# KiCad board smps_legged_robot.kicad_pcb (continued)
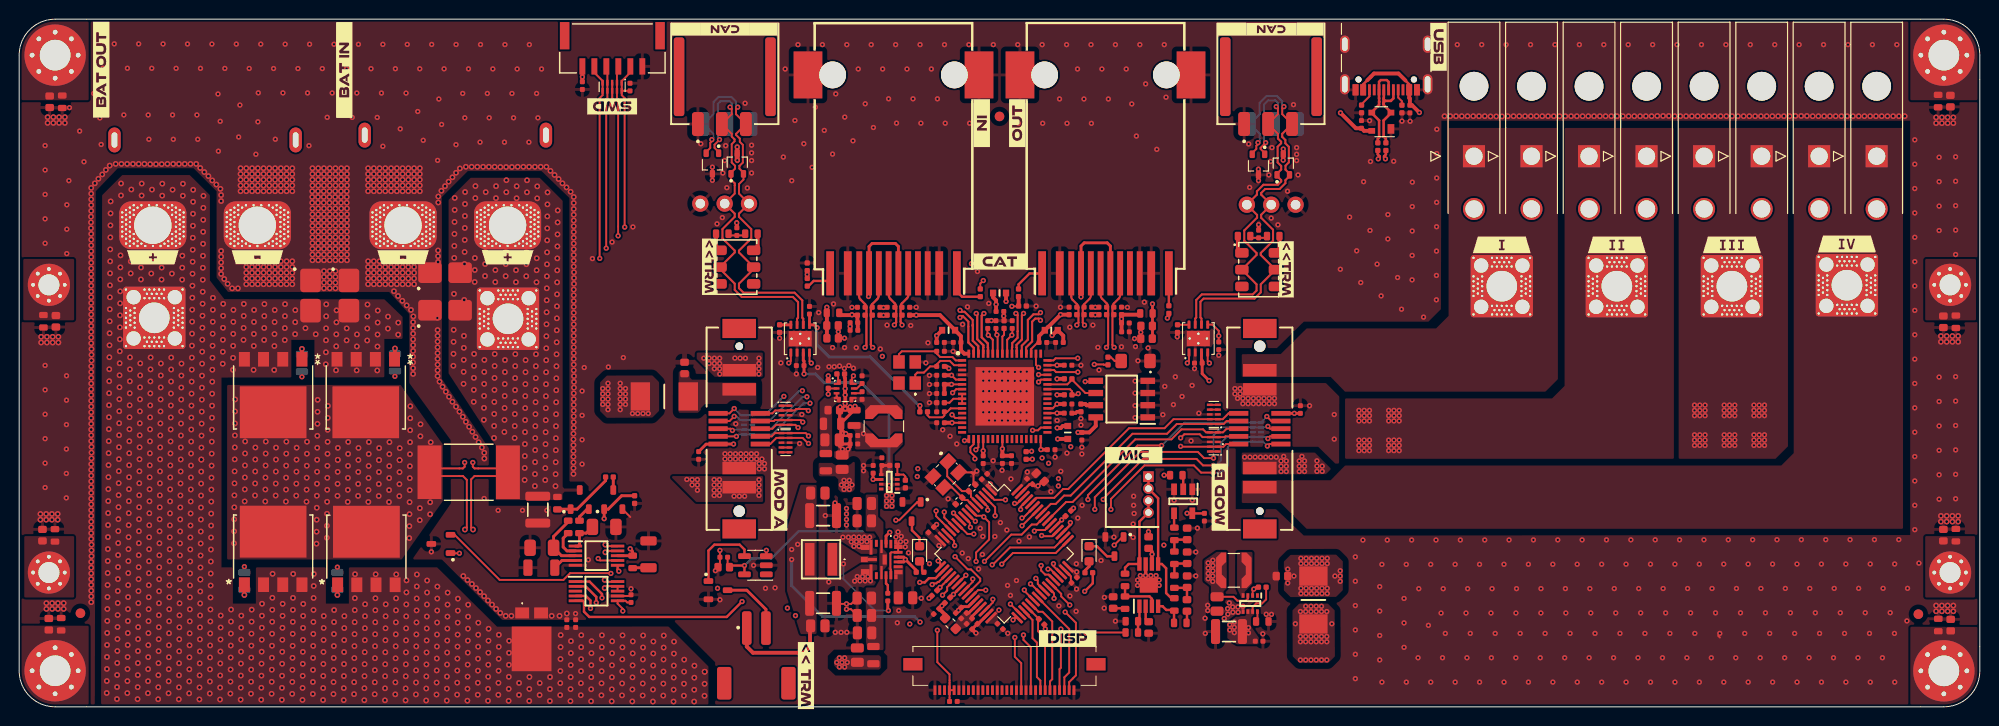
[diagram p0: board, top side]
## Routing (per net, layer and track width the routed paths; a pad name or vN(x,y) marks a point on that pad's centre or on a via; arc(x,y) is an arc through that point) (continued)
/Project Architecture/MCU - Unit/I2C2_SDA: length 32.5
  L1 (Sig, PWR) w0.2: J1301.S3 125.82,28.2 125.74,28.12 D903.7 123.43,28.12 123.13,28.42 121.52,28.42 v2(121.14,28.04) ; v2(107.94,11.3) 107.94,11.82 U401.42 ; 126.95,28.2 126.88,28.27
  L4 (Sig, PWR) w0.2: v2(121.14,28.04) 121.14,28.01 119.66,26.53 117.54,26.53 115.03,24.02 115.03,16.47 112.46,13.9 111.02,13.9 108.42,11.3 v2(107.94,11.3)
/Project Architecture/MCU - Unit/I2C3_SCL: length 43.6
  L1 (Sig, PWR) w0.2: U401.40 105.68,12.67 105.63,12.67 v2(105.49,12.81) ; J2501.S1 78.56,30.6 78.86,30.9 D1003.2 D1003.9 80.89,30.9 81.04,31.05 82.14,31.05 v2(82.31,30.88)
  L3 (Sig, PWR) w0.2: v2(93.73,24.83) 89.5,29.06 84.13,29.06 v2(82.31,30.88)
  L4 (Sig, PWR) w0.2: v2(105.49,12.81) 101.84,16.46 98.81,16.46 97.65,17.63 93.18,17.63 92.14,18.67 92.14,23.66 93.31,24.83 v2(93.73,24.83)
/Project Architecture/MCU - Unit/I2C3_SDA: length 41.6
  L1 (Sig, PWR) w0.2: v2(81.73,29.69) 81.52,29.9 D1003.7 D1003.4 78.82,29.9 78.72,29.8 J2501.S3 77.36,29.74 ; U401.41 106.93,12.12 106.25,12.8 106.25,13.19 v2(106.04,13.39)
  L3 (Sig, PWR) w0.2: v2(93.67,24.01) 89.78,27.9 84.33,27.9 82.54,29.69 v2(81.73,29.69)
  L4 (Sig, PWR) w0.2: v2(93.67,24.01) 92.82,23.16 92.82,18.86 93.31,18.37 97.86,18.37 99.14,17.09 102.34,17.09 v2(106.04,13.39)
/Project Architecture/MCU - Unit/JTCK-SWCLK: length 102.5
  L1 (Sig, PWR) w0.2: 109.05,17.67 U401.50 107.99,16.61 103.34,16.61 101.54,14.81 v2(101.49,14.81) ; v2(61.23,47.81) 61.23,63.33 61.35,63.45 D402.7 D402.4 61.35,66.67 J402.4
  L4 (Sig, PWR) w0.2: v2(101.49,14.81) 101.49,13.67 100.03,12.21 100.03,10 96.62,6.58 90.22,6.58 89.61,7.19 81.4,7.19 67.27,21.32 67.27,34.95 65.5,36.72 65.49,36.72 61.23,40.98 v2(61.23,47.81)
/Project Architecture/MCU - Unit/JTMS-SWDIO: length 104.6
  L1 (Sig, PWR) w0.2: v2(102.48,14.88) 103.64,16.03 108.11,16.03 109.4,17.32 U401.49 109.4,17.32 ; v2(60.55,46.75) 60.54,46.77 60.54,63.47 60.85,63.78 D402.6 D402.5 60.85,65.26 59.99,66.12 J402.5
  L4 (Sig, PWR) w0.2: v2(60.55,46.75) 60.55,40.64 66.62,34.56 66.62,21.08 81.23,6.48 89.27,6.48 89.77,5.98 97.22,5.98 102.48,11.25 v2(102.48,14.88)
/Project Architecture/MCU - Unit/JTMS-SWO: length 99.6
  L1 (Sig, PWR) w0.2: v2(100.68,15.17) 103.48,17.96 104.56,17.96 105.61,19.01 106.14,19.01 106.93,19.8 U401.56 ; J402.3 62.35,66.63 D402.2 D402.9 62.35,63.41 62.47,63.29 v2(62.47,49.11)
  L4 (Sig, PWR) w0.2: v2(62.47,49.11) 62.47,40.93 67.91,35.48 67.91,21.81 72.35,17.37 74.81,17.37 83.83,8.34 89.66,8.34 90.74,7.26 96.31,7.26 99.25,10.2 99.25,12.27 100.68,13.69 v2(100.68,15.17)
/Project Architecture/MCU - Unit/MA_SHDN_VA: length 41.9
  L1 (Sig, PWR) w0.2: v2(100.81,12.17) 100.02,12.17 99.26,11.42 U401.26 99.26,11.43 ; J1301.S8 130.61,29.8 v2(130.13,30.27) ; v2(119.16,27.25) 116.65,27.25 111.47,22.07 v2(111.47,21.61)
  L1 (Sig, PWR) w0.4: 131.36,29.79 131.35,29.8
  L3 (Sig, PWR) w0.2: v2(111.47,21.61) 111.47,19.5 109.26,17.28 105.89,17.28 100.81,12.2 v2(100.81,12.17)
  L6 (Sig, PWR) w0.2: v2(119.16,27.25) 119.17,27.25 121.56,29.64 D902.6 130.13,30.26 v2(130.13,30.27)
/Project Architecture/MCU - Unit/MA_SHDN_VB: length 25.6
  L1 (Sig, PWR) w0.2: J1301.S9 126.14,30.6 125.53,29.99 D901.2 D901.9 120.4,29.99 119.46,29.05 115.76,29.05 109.42,22.71 108.88,22.71 107.96,21.79 106.1,21.79 U401.60 105.52,21.23
/Project Architecture/MCU - Unit/MB_SHDN_VA: length 33.8
  L1 (Sig, PWR) w0.2: 97.14,18.36 U401.13 97.14,18.38 95.64,19.88 v2(95.64,20.42) ; J2501.S8 v2(74.81,28.2)
  L3 (Sig, PWR) w0.2: 85.34,29.56 89.89,29.56 94.33,25.12 94.33,23.47 95.64,22.16 v2(95.64,20.42) ; 85.34,29.56 84.58,29.56 82.53,31.61 82.48,31.61 ; 85.34,29.56 85.24,29.56 ; 74.62,28.17 74.65,28.2 v2(74.81,28.2)
  L6 (Sig, PWR) w0.2: v2(82.48,31.65) 81.81,31.65 78.56,28.4 D1002.5 D1002.6 75.05,28.4 74.85,28.2 v2(74.81,28.2)
/Project Architecture/MCU - Unit/MB_SHDN_VB: length 27.3
  L1 (Sig, PWR) w0.2: v2(95.85,15.21) 96.08,14.98 U401.17 ; 77.29,27.39 J2501.S9 78.34,27.4 78.98,28.04 D1001.2 D1001.9 81.72,28.04 82.3,27.46 v2(82.33,27.46)
  L3 (Sig, PWR) w0.2: v2(95.85,15.21) 93.64,17.42 93.64,21.58 89.49,25.73 84.06,25.73 v2(82.33,27.46)
/Project Architecture/MCU - Unit/PRE_EN: length 48.8
  L1 (Sig, PWR) w0.2: v2(99.46,13.33) 99.46,13.03 U401.24 98.55,12.12
  L1 (Sig, PWR) w0.3: R1105.2 62.84,22.01 61.44,20.61 Q1102.1 v2(61.02,19.61)
  L3 (Sig, PWR) w0.2: 61.04,19.59 62.08,19.59 68.05,13.62 82.83,13.62 83.44,14.23 86.11,14.23 86.79,14.91 90.59,14.91 91.31,14.19 96.47,14.19 97.78,12.87 99,12.87 v2(99.46,13.33)
  L4 (Sig, PWR) w0.2: v2(61.02,19.61) 61.04,19.59
/Project Architecture/MCU - Unit/PRE_FLT: length 39.3
  L1 (Sig, PWR) w0.2: 97.12,11.41 97.12,11.41 v2(97.45,11.72) 98.2,12.48 U401.23
  L1 (Sig, PWR) w0.25: v2(62.55,14.14) 62.55,14.18 62.41,14.31 IC1501.6
  L3 (Sig, PWR) w0.2: v2(62.55,14.14) 64.26,14.14 65.38,13.03 83.32,13.03 83.96,13.66 86.44,13.66 87.09,14.31 90.31,14.31 91.08,13.55 95.82,13.55 97.45,11.92 v2(97.45,11.72)
/Project Architecture/MCU - Unit/RUN0_A: length 39.4
  L1 (Sig, PWR) w0.2: 105.87,11.07 U401.38 104.84,12.09 v2(104.84,12.19) ; v2(130.24,27.97) 130.47,28.2 J1301.S4 ; v2(113.07,21.62) 113.07,21.7 117.22,25.85 122.8,25.85 123.48,25.17 v2(124.56,25.17)
  L3 (Sig, PWR) w0.2: v2(113.07,21.62) 113.07,19.15 109.95,16.03 106.71,16.03 104.84,14.16 v2(104.84,12.19)
  L6 (Sig, PWR) w0.2: v2(124.56,25.17) 124.83,25.17 125.33,25.67 125.33,27.5 125.97,28.14 D902.9 130.07,28.14 v2(130.24,27.97)
/Project Architecture/MCU - Unit/RUN0_B: length 39.1
  L1 (Sig, PWR) w0.2: v2(99.57,18.02) 98.91,18.02 U401.11 ; v2(74.58,30.29) 74.09,29.8 J2501.S4
  L3 (Sig, PWR) w0.2: v2(81.69,32.96) 82.75,32.96 85.2,30.51 90.79,30.51 95.96,25.34 95.96,24.15 98.44,21.67 98.44,18.68 99.1,18.02 v2(99.57,18.02)
  L6 (Sig, PWR) w0.2: v2(74.58,30.29) 74.82,30.29 75.21,29.9 D1002.9 D1002.2 78.33,29.9 81.39,32.96 v2(81.69,32.96)
/Project Architecture/MCU - Unit/RUN1_A: length 36.3
  L1 (Sig, PWR) w0.2: J1301.S2 130.4,27.4 v2(130.19,27.19) ; 107.97,13.18 U401.44 107.39,13.78 107.02,13.78 106.59,14.21 v2(106.59,14.73) ; v2(124.54,24.42) 123.28,24.42 122.53,25.17 117.37,25.17 113.87,21.67 v2(113.87,20.58)
  L3 (Sig, PWR) w0.2: v2(106.59,14.73) 107.39,15.53 110.46,15.53 113.87,18.95 v2(113.87,20.58)
  L6 (Sig, PWR) w0.2: v2(130.19,27.19) 129.74,27.64 D902.10 126.64,27.64 126.06,27.06 126.06,25.15 125.33,24.42 v2(124.54,24.42)
/Project Architecture/MCU - Unit/RUN1_B: length 37.3
  L1 (Sig, PWR) w0.2: v2(101.02,20.52) 101.02,20.86 U401.4 100.33,21.56 ; J2501.S2 74.08,30.6 v2(74.58,31.1)
  L3 (Sig, PWR) w0.2: v2(101.02,20.52) 100.98,20.52 96.7,24.8 96.7,25.57 92.34,29.93 92.34,29.94 88.5,33.77 81.16,33.77 v2(79.76,32.37)
  L6 (Sig, PWR) w0.2: v2(74.58,31.1) 75.28,30.4 D1002.10 D1002.1 77.77,30.4 79.74,32.37 v2(79.76,32.37)
/Project Architecture/MCU - Unit/SPI1_MISO: length 42.3
  L1 (Sig, PWR) w0.2: U401.20 96.05,12.45 v2(96.05,12.45)
  L1 (Sig, PWR) w0.25: v2(59.59,10.26) 59.59,11.08 59.12,11.56 IC2001.4
  L3 (Sig, PWR) w0.2: v2(96.05,12.45) 95.5,11.89 93.34,11.89 92.81,11.36 85.81,11.36 85.06,10.61 81.26,10.61 80.31,9.66 72.19,9.66 71.28,10.56 62.56,10.56 62.23,10.23 59.62,10.23 v2(59.59,10.26)
/Project Architecture/MCU - Unit/SPI1_MOSI: length 43.3
  L1 (Sig, PWR) w0.2: U401.21 96.79,12.48 96.79,12.13 v2(96.31,11.64)
  L1 (Sig, PWR) w0.25: IC2001.2 59.09,12.56 60.19,11.46 v2(60.19,10.86)
  L3 (Sig, PWR) w0.2: v2(60.19,10.86) 60.27,10.78 61.66,10.78 62.01,11.14 71.97,11.14 72.8,10.31 80.12,10.31 v2(80.13,10.3) ; v2(80.97,9.51) 87.04,9.51 88.19,10.66 95.37,10.66 96.31,11.6 v2(96.31,11.64)
  L4 (Sig, PWR) w0.2: 80.92,9.51 v2(80.97,9.51) 80.18,10.3 v2(80.13,10.3)
  L4 (Sig, PWR) w0.25: v2(96.31,11.64) 96.25,11.64
/Project Architecture/MCU - Unit/SPI1_NSS: length 40.6
  L1 (Sig, PWR) w0.25: U401.18 95.59,13.41 94.89,13.41 94.45,12.97 v2(93.93,12.97) ; v2(60.79,11.36) 60.79,11.76 59.49,13.06 IC2001.1
  L3 (Sig, PWR) w0.2: v2(60.79,11.36) 61.17,11.36 61.55,11.74 63.41,11.74 63.42,11.73 64.05,11.73 64.06,11.74 84.31,11.74 85.02,12.45 91.78,12.45 92.3,12.97 v2(93.93,12.97)
/Project Architecture/MCU - Unit/SPI1_SCK: length 41.9
  L1 (Sig, PWR) w0.2: U401.19 95.91,13.02 95.81,13.02 95.66,12.87 95.35,12.87 v2(95.23,12.75)
  L1 (Sig, PWR) w0.25: IC2001.5 58.79,11.06 58.91,10.94 58.91,9.92 59.46,9.37 73.8,9.37 v2(75.4,10.97)
  L3 (Sig, PWR) w0.2: v2(75.4,10.97) 75.61,11.19 84.72,11.19 85.49,11.96 92.31,11.96 92.75,12.4 94.88,12.4 v2(95.23,12.75)
/Project Architecture/MCU - Unit/TEMP_SENS: length 66.6
  L1 (Sig, PWR) w0.2: 104.08,9.3 U401.33 ; U401.33 103.9,9.3 v2(103.67,9.06) ; U401.33 104.1,9.3 ; v2(61.71,13.91) 61.69,13.94 57.46,13.94 56.77,13.23 50.12,13.23 45.41,17.94 U1501.2
  L3 (Sig, PWR) w0.2: v2(61.71,13.91) 62.62,13.01 64.38,13.01 65.03,12.36 v2(72.84,12.36)
  L4 (Sig, PWR) w0.2: v2(72.84,12.36) 79.44,5.76 88.92,5.76 89.31,5.36 98.64,5.36 102.34,9.06 v2(103.67,9.06)
/Project Architecture/MCU - Unit/USB+: length 67.9
  L1 (Sig, PWR) w0.2: 108.34,13.56 U401.45 108.34,13.57 107.56,14.36 v2(107.31,14.36)
  L1 (Sig, PWR) w0.264: R407.2 142.55,57.6 142.37,57.41 142.37,57.28 v2(142.5,57.14)
  L3 (Sig, PWR) w0.213: v2(142.5,57.14) 142.35,56.98 142.35,56.76 142.36,56.75
  L3 (Sig, PWR) w0.232: v2(107.31,14.36) 107.55,14.36 109.04,12.87 110.53,12.87 110.54,12.85 115.11,12.85 116.92,14.66 119.26,14.66 121.22,16.62 121.22,18.02 123.43,20.23 123.43,27.72 125.59,29.89 125.59,35.46 142.36,52.23 142.36,56.75
/Project Architecture/MCU - Unit/USB-: length 67.8
  L1 (Sig, PWR) w0.2: v2(107.88,14.93) 107.88,14.68 108.66,13.89 U401.46 108.7,13.9
  L1 (Sig, PWR) w0.264: v2(141.75,57.14) 141.89,57.28 141.89,57.41 141.71,57.6 R408.2
  L3 (Sig, PWR) w0.213: v2(141.75,57.14) 141.91,56.98 141.91,56.76 141.9,56.75
  L3 (Sig, PWR) w0.232: v2(107.88,14.93) 107.88,14.69 109.23,13.33 110.72,13.33 110.73,13.32 114.91,13.32 116.72,15.13 119.06,15.13 120.75,16.82 120.75,18.21 122.96,20.42 122.96,23.46 arc(122.88,23.67) 122.66,23.76 122.43,23.76 arc(122.22,23.85) 122.13,24.06 arc(122.22,24.27) 122.43,24.36 122.66,24.36 arc(122.88,24.45) 122.96,24.66 122.96,27.92 125.13,30.08 125.13,35.66 141.9,52.43 141.9,56.75
/Project Architecture/MCU - Unit/USB_C+: length 8.7
  L1 (Sig, PWR) w0.2: 143.08,61.91 D401.2 143.08,62.01
  L1 (Sig, PWR) w0.264: 142.46,63.18 142.32,63.04 142.32,62.9 ; 142.46,63.18 142.32,63.32 ; 142.46,63.18 143.07,63.18 143.34,63.45 J403.B7 ; 142.32,63.32 142.32,63.46 142.34,63.47 J403.A7 ; 142.32,63.32 142.32,62.9 ; 142.32,62.9 142.31,62.9 142.31,62.77 143.08,62.01 ; R407.1 142.55,59.22 142.31,59.46 142.31,61.14 143.08,61.91
/Project Architecture/MCU - Unit/USB_C-: length 9
  L1 (Sig, PWR) w0.2: 141.83,64.34 J403.B6 ; 141.08,61.91 D401.3 141.08,62.01
  L1 (Sig, PWR) w0.25: J403.B6 141.84,65.17 142.02,65.35 142.65,65.35 142.84,65.16 J403.A6
  L1 (Sig, PWR) w0.264: 141.08,62.01 141.84,62.77 141.84,63.08 141.85,63.09 141.85,63.46 141.84,63.47 J403.B6 ; R408.1 141.71,59.22 141.84,59.35 141.84,61.14 141.08,61.91
/Project Architecture/MCU - Unit/~{ALERT}_A: length 24.1
  L1 (Sig, PWR) w0.2: J1301.S5 125.94,29 125.56,28.62 D903.6 123.79,28.62 123.48,28.93 121.22,28.93 120.18,27.89 116.41,27.89 109.87,21.35 109.19,21.35 107.28,19.44 U401.55
/Project Architecture/MCU - Unit/~{ALERT}_B: length 29.1
  L1 (Sig, PWR) w0.2: v2(97.57,16.81) 97.52,16.86 97.52,17.3 U401.14 ; v2(81.24,29.12) 80.96,29.4 D1003.6 D1003.5 78.96,29.4 78.56,29 J2501.S5
  L3 (Sig, PWR) w0.2: v2(97.57,16.81) 96.86,16.81 94.97,18.7 94.97,21.91 89.44,27.44 83.94,27.44 82.27,29.11 81.25,29.11 v2(81.24,29.12)
/Project Architecture/MCU - Unit/~{FAULT0}_A: length 24.6
  L1 (Sig, PWR) w0.2: J1301.S7 125.94,29.8 125.63,29.49 D901.1 D901.10 120.74,29.49 119.72,28.47 116.12,28.47 109.68,22.03 108.99,22.03 108.12,21.16 107.6,21.16 106.59,20.15 U401.57
/Project Architecture/MCU - Unit/~{FAULT0}_B: length 31.5
  L1 (Sig, PWR) w0.2: U401.22 97.85,12.83 v2(98.74,13.72) ; v2(82.33,28.24) 82.03,28.54 D1001.10 D1001.1 78.83,28.54 78.49,28.2 J2501.S7 77.34,28.24
  L3 (Sig, PWR) w0.2: v2(98.74,13.72) 98.21,13.72 94.27,17.66 94.27,21.81 89.78,26.29 84.31,26.29 82.36,28.24 v2(82.33,28.24)
/Project Architecture/MCU - Unit/~{FAULT1}_A: length 43.1
  L1 (Sig, PWR) w0.2: v2(124.57,25.93) 123.59,25.93 122.94,26.58 116.92,26.58 112.19,21.85 v2(112.19,20.59) ; 100.68,10 U401.30 100.68,10 101.56,10.88 v2(101.56,11.21) ; J1301.S6 130.48,29 v2(130.24,29.24)
  L3 (Sig, PWR) w0.2: v2(112.19,20.59) 112.19,19.3 109.55,16.66 106.27,16.66 101.56,11.94 v2(101.56,11.21)
  L6 (Sig, PWR) w0.2: v2(130.24,29.24) 130.14,29.14 D902.7 125.4,29.14 124.57,28.31 v2(124.57,25.93)
/Project Architecture/MCU - Unit/~{FAULT1}_B: length 34.2
  L1 (Sig, PWR) w0.2: J2501.S6 74.21,29 v2(74.39,28.82) ; v2(96.49,20.31) 96.49,19.74 U401.12
  L3 (Sig, PWR) w0.2: v2(82.16,32.33) 82.62,32.33 84.89,30.06 90.31,30.06 95.09,25.28 95.09,23.76 96.31,22.53 96.31,20.48 v2(96.49,20.31)
  L6 (Sig, PWR) w0.2: v2(74.39,28.82) 74.47,28.9 D1002.7 D1002.4 78.3,28.9 81.73,32.33 v2(82.16,32.33)
/Project Architecture/Power - Local Generation/MODE_5V: length 1.1
  L1 (Sig, PWR) w0.2: U802.1 85.42,33.83 85.42,34.58 R802.1
/Project Architecture/Power - Precharge/PRE_D: length 6.5
  L1 (Sig, PWR) w0.2: NT1103.1 43.2,24.86 R1505.2 43.2,24.06 NT1602.2
  vias: v1(22.43,19.55) v1(22.42,18.3) v1(22.41,17.05) v1(22.53,32.05) v1(22.52,30.8) v1(22.51,29.55) v1(22.5,28.3) v1(22.49,27.05) v1(22.48,25.8) v1(22.47,24.55) v1(22.46,23.3) v1(22.45,22.05) v1(22.44,20.8) v1(23.54,23.92) v1(23.53,22.67) v1(23.52,21.42) v1(23.57,27.67) v1(23.56,26.42) v1(23.55,25.17) v1(24.63,25.79) v1(24.62,24.54) v1(24.61,23.29) v1(24.6,22.04) v1(24.64,27.04) v1(25.72,27.66) v1(25.71,26.41) v1(25.7,25.16) v1(25.69,23.91) v1(25.68,22.66) v1(25.67,21.41) v1(26.79,27.03) v1(26.78,25.78) v1(26.77,24.53) v1(26.76,23.28) v1(26.75,22.03) v1(27.84,23.9) v1(27.83,22.65) v1(27.82,21.4) v1(27.87,27.65) v1(27.86,26.4) v1(27.85,25.15) v1(28.93,25.77) v1(28.92,24.52) v1(28.91,23.27) v1(28.9,22.02) v1(28.94,27.02) v1(30.02,27.64) v1(30.01,26.39) v1(30,25.14) v1(29.99,23.89) v1(29.98,22.64) v1(29.97,21.39) v1(31.04,20.76) v1(31.03,19.51) v1(31.02,18.26) v1(31.01,17.01) v1(31.13,32.01) v1(31.12,30.76) v1(31.11,29.51) v1(31.1,28.26) v1(31.09,27.01) v1(31.08,25.76) v1(31.07,24.51) v1(31.06,23.26) v1(31.05,22.01) v1(32.13,22.63) v1(32.12,21.38) v1(32.11,20.13) v1(32.1,18.88) v1(32.09,17.63) v1(32.2,31.38) v1(32.19,30.13) v1(32.18,28.88) v1(32.17,27.63) v1(32.16,26.38) v1(32.15,25.13) v1(32.14,23.88) v1(33.24,27) v1(33.23,25.75) v1(33.23,25.75) v1(33.22,24.5) v1(33.21,23.25) v1(33.2,22) v1(34.32,27.62) v1(34.31,26.37) v1(34.3,25.12) v1(34.29,23.87) v1(34.28,22.62) v1(34.27,21.37) v1(35.39,26.99) v1(35.38,25.74) v1(35.37,24.49) v1(35.36,23.24) v1(35.35,21.99) v1(36.43,22.61) v1(36.42,21.36) v1(36.47,27.61) v1(36.46,26.36) v1(36.45,25.11) v1(36.44,23.86) v1(37.54,26.98) v1(37.53,25.73) v1(37.53,25.73) v1(37.52,24.48) v1(37.51,23.23) v1(37.5,21.98) v1(38.62,27.6) v1(38.61,26.35) v1(38.6,25.1) v1(38.59,23.85) v1(38.58,22.6) v1(38.57,21.35) v1(39.69,26.97) v1(39.68,25.72) v1(39.68,25.72) v1(39.67,24.47) v1(39.66,23.22) v1(39.65,21.97) v1(40.73,22.59) v1(40.72,21.34) v1(40.71,20.09) v1(40.7,18.84) v1(40.69,17.59) v1(40.8,31.34) v1(40.79,30.09) v1(40.78,28.84) v1(40.77,27.59) v1(40.76,26.34) v1(40.75,25.09) v1(40.74,23.84) v1(41.79,20.71) v1(41.78,19.46) v1(41.86,29.46) v1(41.85,28.21) v1(42.92,27.58) v1(42.87,21.33) v1(42.86,20.08)
/Project Architecture/Power - Precharge/PRE_G: length 83.4
  L1 (Sig, PWR) w0.3: v2(63.73,16.48) 63.9,16.31 arc(63.97,16.21) 63.99,16.1 R1507.1 IC1501.8
  L4 (Sig, PWR) w0.2: 41.73,15.71 41.73,15.87 ; 41.73,15.87 41.81,15.99 ; 41.73,15.87 41.58,15.65 ; v2(23.49,14.61) 23.49,15.09 arc(23.51,15.2) 23.58,15.3 23.64,15.36 arc(23.73,15.42) 23.85,15.44 32.96,15.44 ; 33.19,15.21 33.43,15.44 41.32,15.44 ; 33.19,15.21 v2(33.19,14.56) ; 33.19,15.21 32.96,15.44 ; 41.81,15.99 45.19,21.19 arc(45.23,21.26) 45.24,21.35 45.24,27.78 arc(45.23,27.88) 45.18,27.96 41.33,33.26 arc(41.08,33.47) 40.76,33.55 39.4,33.55 ; 41.81,15.99 41.81,15.65 41.8,15.64 41.99,15.45 42.04,15.45 ; 41.32,15.44 41.77,15.44 41.78,15.45 ; 41.32,15.44 41.38,15.44 41.58,15.65 ; 38.98,33.55 29.92,33.55 arc(29.81,33.57) 29.71,33.64 29.58,33.77 arc(29.51,33.87) 29.49,33.98 v2(29.49,34.41) ; 38.98,33.55 39.4,33.55 ; 38.98,33.55 39.19,33.76 ; 39.4,33.55 39.19,33.76 ; v2(63.73,16.48) 63.73,16.22 arc(63.62,15.65) 63.29,15.16 63.25,15.12 arc(62.76,14.79) 62.19,14.68 45.53,14.68 arc(45.15,14.76) 44.83,14.97 44.64,15.16 arc(44.32,15.37) 43.94,15.45 42.04,15.45 ; 39.19,33.76 v2(39.19,34.46) ; 32.96,15.44 33.41,15.44 ; 41.85,15.45 41.78,15.45 ; 41.78,15.45 42.04,15.45 ; 41.58,15.65 41.65,15.65 ; 41.7,15.6 41.73,15.63
  L6 (Sig, PWR) w0.2: 23.49,14.06 v2(23.49,14.61) ; R1603.2 v2(39.19,34.46) ; R1604.1 v2(33.19,14.56) ; R1601.2 v2(29.49,34.41)
/Project Architecture/Power - Precharge/shunt+: length 22.6
  L1 (Sig, PWR) w0.2: NT1101.1 47.32,25.03 v2(47.32,25.48) ; v1(61.14,16.91) 61.29,16.76 IC1501.10
  L3 (Sig, PWR) w0.2: v2(47.32,25.48) 47.12,25.28 47.12,20.75 51.13,16.74 60.97,16.74 v1(61.14,16.91)
/Project Architecture/Power - Precharge/shunt-: length 23.3
  L1 (Sig, PWR) w0.2: v2(46.46,25.48) 46.46,25.03 NT1103.2 ; IC1501.9 61.29,16.26 v1(61.14,16.11)
  L3 (Sig, PWR) w0.2: v2(46.46,25.48) 46.66,25.28 46.66,20.57 50.95,16.28 60.97,16.28 v1(61.14,16.11)
/Project Architecture/Power - Precharge/TIMER: length 2.5
  L1 (Sig, PWR) w0.3: C1502.1 56.62,15.26 IC1501.4
/Project Architecture/Sensor - Battery/shunt+: length 24.3
  L1 (Sig, PWR) w0.2: v1(47.34,18.48) 47.14,18.69 47.14,23.71 NT1601.1 ; v1(61.07,13.23) 61.27,13.04 62.39,13.04 IC2001.10
  L3 (Sig, PWR) w0.2: v1(47.34,18.48) 47.14,18.29 47.14,17.3 51.41,13.04 60.87,13.04 v1(61.07,13.23)
/Project Architecture/Sensor - Battery/shunt-: length 25.6
  L1 (Sig, PWR) w0.2: NT1602.1 46.69,23.66 46.69,18.69 v1(46.49,18.48) ; IC2001.8 IC2001.9 62.39,12.58 61.27,12.58 v1(61.07,12.39)
  L3 (Sig, PWR) w0.2: v1(61.07,12.39) 60.87,12.58 51.22,12.58 46.69,17.12 46.69,18.29 v1(46.49,18.48)
Net-(C1111-Pad1): length 28.1
  L1 (Sig, PWR) w0.2: IC1101.6 v2(97.24,33.62) ; IC1101.38 107.8,31.12 v2(108.25,31.57) ; IC1101.24 v2(102.55,26.91)
  L1 (Sig, PWR) w0.4: FB1104.2 108.85,29.28 108.65,29.08 v2(108.27,29.08) ; C1111.1 C1114.1 v2(97.24,33.62) ; C1120.1 v2(108.25,31.57) ; C1122.1 C1124.1 v2(102.55,26.91)
  L3 (Sig, PWR) w0.35: v2(97.24,33.62) 97.51,33.62 98.26,32.87 98.26,31.2 102.55,26.92 v2(102.55,26.91) 102.6,26.86 104.89,26.86 105.77,27.74 106.92,27.74 108.26,29.08 v2(108.27,29.08) 108.61,29.08 109.19,29.66 109.19,31.11 108.73,31.57 v2(108.25,31.57)
Net-(C1149-Pad1): length 1.9
  L1 (Sig, PWR) w0.2: R1107.2 128.59,48.9 C1149.1 129.97,48.9 R1108.1
Net-(C1150-Pad1): length 1.9
  L1 (Sig, PWR) w0.2: R1139.1 75.55,49.15 C1150.1 74.16,49.15 R1138.2
Net-(C1302-Pad1):
  vias: v2(127.81,26.03) v2(128.37,26.03) v2(128.92,26.03) v2(129.47,26.03) v2(130.02,26.03) v2(130.56,26.03) v2(131.12,26.03) v2(131.62,25.64) v2(131.62,25.08) v2(131.62,24.53) v2(131.89,26.11) v2(132.17,25.64) v2(132.17,25.08) v2(132.17,24.53) v2(132.31,14.36) v2(132.31,12.91) v2(132.96,13.64) v2(133.52,25.64) v2(133.52,25.08) v2(133.52,24.53) v2(133.69,15.48) v2(133.69,14.94) v2(133.69,12.36) v2(133.69,11.81) v2(133.79,26.11) v2(134.06,25.64) v2(134.06,25.08) v2(134.06,24.53) v2(134.24,15.48) v2(134.24,14.94) v2(134.24,12.36) v2(134.24,11.81) v2(134.78,15.48) v2(134.78,14.94) v2(134.78,12.36) v2(134.78,11.81) v2(135.34,15.48) v2(135.34,14.94) v2(135.34,12.36) v2(135.34,11.81) v2(135.36,25.65) v2(135.36,25.1) v2(135.36,24.55) v2(135.91,25.1) v2(135.91,24.55) v2(135.89,15.48) v2(135.89,14.94) v2(135.89,12.36) v2(135.89,11.81) v2(136.44,15.48) v2(136.44,14.94) v2(136.44,12.36) v2(136.44,11.81) v2(137.24,13.64) v2(137.78,14.19) v2(137.78,13.64) v2(137.78,13.08)
Net-(C1503-Pad1): length 1.7
  L1 (Sig, PWR) w0.3: R1507.2 64.03,14.5 C1503.1
Net-(C1702-Pad1): length 2.5
  L1 (Sig, PWR) w0.25: C1702.1 120.54,17.43 R1703.2 R1704.1
Net-(C1703-Pad1): length 2.5
  L1 (Sig, PWR) w0.25: R1706.1 R1704.2 120.54,14.94 C1703.1
Net-(C1704-Pad1): length 2.7
  L1 (Sig, PWR) w0.25: 120.54,12.45 R1706.2 121.77,12.4 C1704.1 121.81,12.44 C1706.1
Net-(C1705-Pad1): length 1.3
  L1 (Sig, PWR) w0.25: C1705.1 115.28,10.28 R1707.1
Net-(C1706-Pad2): length 1.2
  L1 (Sig, PWR) w0.25: C1706.2 121.81,8.8 121.75,8.75
Net-(D801-A): length 1.3
  L1 (Sig, PWR) w0.25: 93.9,15.17 94.18,14.89 94.18,14.2 94.32,14.06
Net-(D801-K): length 2.8
  L1 (Sig, PWR) w0.25: 93.12,19.2 93.12,18.41 93.9,17.63 93.9,16.75
Net-(D802-A): length 1.3
  L1 (Sig, PWR) w0.3: 111.18,14.04 111.18,14.22 111.61,14.65 111.61,15.16
Net-(D802-K): length 3.1
  L1 (Sig, PWR) w0.25: 114.28,15.69 113.47,15.69 112.42,16.74 111.61,16.74
Net-(D1107-A): length 1.5
  L1 (Sig, PWR) w0.2: R1125.1 113.86,36.46 114.26,36.06 D1107.2
Net-(IC801-MODE/S-CONF): length 1.1
  L1 (Sig, PWR) w0.2: R801.1 129.15,9.04 IC801.8
Net-(IC1101A-EESCL/TCK): length 6
  L1 (Sig, PWR) w0.2: IC1101.43 109.32,33.62 109.81,34.11 R1128.1 109.81,34.11 111.21,32.72 IC1102.6
Net-(IC1101A-EESDA/TMS): length 6.4
  L1 (Sig, PWR) w0.2: v2(111.19,33.91) 112.21,33.91 IC1102.5 ; v2(110.46,32.65) 110.34,32.53 R1129.1 109.81,32.9 109.59,33.12 IC1101.42
  L4 (Sig, PWR) w0.2: v2(110.46,32.65) 110.46,32.85 111.19,33.58 v2(111.19,33.91)
Net-(IC1101A-FXSDA/FXLOSA/~{FXSDENA}): length 3
  L1 (Sig, PWR) w0.2: IC1101.9 97.44,32.12 97.03,31.71 R1115.2 ; IC1101.9 IC1101.10 ; IC1101.9 IC1101.8
Net-(IC1101A-OSCI): length 8.2
  L1 (Sig, PWR) w0.2: Y1101.3 91.77,36.77 92.06,37.07 C1136.1 95.7,36.84 96.07,36.47 97.34,36.47 97.69,36.12 98.35,36.12 ; 95.69,37.07 95.69,36.94
Net-(IC1101A-OSCO): length 6.7
  L1 (Sig, PWR) w0.2: IC1101.2 97.51,35.62 97.06,36.07 96.08,36.07 95.7,35.69 C1133.1 95.01,35.5 94.37,34.85 93.68,34.85 93.47,34.64 Y1101.1
Net-(IC1101A-RBIAS): length 2.7
  L1 (Sig, PWR) w0.2: IC1101.57 102.55,38.61 102.73,38.78 R1116.2
Net-(IC1101A-RST#): length 4.7
  L1 (Sig, PWR) w0.2: IC1101.11 97.16,31.12 96.8,30.76 C1113.1 96.5,30.38 96.31,30.19 94.95,30.19 94.74,30.4 R1113.1 ; 96.5,30.75 96.5,30.68
Net-(IC1101A-RUNLED/~{E2PSIZE}): length 9.7
  L1 (Sig, PWR) w0.2: R1125.2 113.15,35.66 113.11,35.7 v2(112.14,35.7) ; IC1101.45 106.34,34.62 v2(106.33,34.64)
  L3 (Sig, PWR) w0.2: v2(112.14,35.7) 109.8,33.36 107.97,33.36 106.7,34.64 v2(106.33,34.64)
Net-(IC1101A-VDD12TX1): length 23.3
  L1 (Sig, PWR) w0.2: IC1101.59 101.55,38.28 v2(101.08,38.75) 100.99,38.84 100.99,39.42 C1112.2 ; C1115.2 103.59,39.44 103.59,38.81 v2(103.54,38.76) 103.05,38.27 IC1101.56
  L1 (Sig, PWR) w0.4: v2(108.31,27.93) FB1104.1
  L3 (Sig, PWR) w0.3: v2(101.08,38.75) 101.08,38.54 101.56,38.06 103.1,38.06 103.54,38.5 v2(103.54,38.76)
  L4 (Sig, PWR) w0.4: v2(108.31,27.93) 108.25,27.93 107.58,28.6 107.58,35.25 104.06,38.76 v2(103.54,38.76)
Net-(IC1101A-VDD33BIAS): length 7.4
  L1 (Sig, PWR) w0.2: v2(101.98,38.78) 101.88,38.89 C1125.1 ; IC1101.58 102.05,38.71
  L1 (Sig, PWR) w0.4: v2(102.94,42.27) 102.93,42.28 FB1101.2
  L4 (Sig, PWR) w0.2: v2(101.98,38.78) 101.98,40.04 101.98,40.04 101.98,41.07 102.94,42.03 v2(102.94,42.27)
Net-(IC1102-~{WC}): length 1.6
  L1 (Sig, PWR) w0.4: IC1102.7 112.28,31.44 111.34,31.44 111.21,31.57 R1130.2
Net-(IC1201-BST): length 2
  L1 (Sig, PWR) w0.25: IC1201.10 90.42,12.86 90.6,12.68 C1206.1
Net-(IC1201-LX): length 8.7
  L1 (Sig, PWR) w0.3: C1206.2 90.6,10.1 v2(90.67,10.03)
  L6 (Sig, PWR) w0.2: v2(90.67,10.03) 89.27,10.03 85.97,13.33 v2(85.97,14.9)
Net-(IC1501-EN): length 3.3
  L1 (Sig, PWR) w0.3: IC1501.1 58.29,16.76 58.44,16.91 R1501.1 59.14,18.11 R1502.2
Net-(IC1501-PROG): length 6.1
  L1 (Sig, PWR) w0.3: R1503.1 57.27,19.28 55.74,17.76 R1504.2 56.57,15.76 IC1501.3
Net-(IC1501-VREF): length 3.1
  L1 (Sig, PWR) w0.3: IC1501.2 57.14,16.26 56.74,16.66 56.74,17.58 R1503.2
Net-(IC1701-BYPASS): length 1.7
  L1 (Sig, PWR) w0.25: C1707.1 117.5,9.19 117.5,10.49
Net-(IC1701-IN+): length 4.7
  L1 (Sig, PWR) w0.25: IC1701.3 118.15,11.26 117.89,11.52 115.35,11.52 R1707.2 R1710.1
Net-(IC1701-IN-): length 3.2
  L1 (Sig, PWR) w0.25: IC1701.4 119.25,10.49 119.65,10.1 120.41,10.1 R1709.1 120.46,10 R1708.2
Net-(IC1701-VO+): length 14.2
  L1 (Sig, PWR) w0.25: J1701.1 J1701.2 118.8,21.75 IC1701.5 119.19,14.89 119.63,14.44 119.63,11.86 120.17,11.33 R1709.2
Net-(IC1701-VO-): length 9.3
  L1 (Sig, PWR) w0.25: R1710.2 115.34,14.51 115.73,14.89 IC1701.8 116.84,19.31 J1701.4 J1701.3
Net-(IC1701-~{SHUTDOWN}): length 2.8
  L1 (Sig, PWR) w0.25: IC1701.1 116.84,9.06 R1705.2 116.7,8.92 R1702.2
Net-(J1107-Pad1): length 3.4
  L1 (Sig, PWR) w0.25: 104.25,43.54 104.25,44.05 105.38,45.19 106.7,45.19
Net-(J1107-Pad12): length 3.4
  L1 (Sig, PWR) w0.25: R1131.1 119.92,45.19
Net-(J1107-RCT): length 24.2
  L1 (Sig, PWR) w0.3: 110.75,45.19 110.75,48.05 111.09,48.38 113.49,48.38 113.81,48.05 113.81,45.19 ; v2(110.75,42.74) 110.75,42.75 J1107.4 ; C1141.1 118.21,38.41 v2(118.21,42.01)
  L4 (Sig, PWR) w0.3: v2(118.21,42.01) 118.21,42.48 116.69,44 112.01,44 v2(110.75,42.74)
Net-(J1108-Pad1): length 3.4
  L1 (Sig, PWR) w0.25: R1134.1 82.33,43.87 82.87,44.41 84.58,44.41 84.59,44.41
  L1 (Sig, PWR) w0.3: 84.59,44.41 J1108.1
Net-(J1108-Pad12): length 4.6
  L1 (Sig, PWR) w0.25: 100.24,42.76 98.34,42.76 97.81,43.3 J1108.12
  L1 (Sig, PWR) w0.4: 100.24,42.76 R1133.1 ; 97.81,45.19 J1108.12
Net-(J1108-RCT): length 19.8
  L1 (Sig, PWR) w0.25: J1108.4 88.59,45.14 v2(88.59,42.78)
  L1 (Sig, PWR) w0.3: J1108.4 88.65,48 88.97,48.32 91.39,48.32 91.71,48 J1108.7
  L1 (Sig, PWR) w0.4: C1142.1 84.25,41.66 v2(84.24,41.66)
  L4 (Sig, PWR) w0.25: 88.64,42.73 v2(88.59,42.78)
  L4 (Sig, PWR) w0.4: v2(84.24,41.66) 84.24,42.28 84.74,42.78 v2(88.59,42.78)
Net-(J1801-Pin_2): length 6.8
  L1 (Sig, PWR) w0.3: Q1401.3 75.89,12.16 77.89,10.16 J1801.2
Net-(Q1101-G): length 6.6
  L1 (Sig, PWR) w0.3: R1103.1 56.16,20.61 Q1101.1 58.19,20.61 61.16,23.58 R1104.2
Net-(Q1101-S): length 1.7
  L1 (Sig, PWR) w0.3: Q1101.2 59.24,20.61 58.44,19.81 R1501.2
Net-(Q1102-D): length 1.3
  L1 (Sig, PWR) w0.3: Q1102.3 R1104.1
Net-(Q1201-Pad1): length 1.1
  L1 (Sig, PWR) w0.4: 29.49,36.2 v1(29.49,37.32)
Net-(Q1202-Pad1): length 1.1
  L1 (Sig, PWR) w0.4: 39.19,36.26 39.19,37.36 v1(39.2,37.37)
Net-(Q1203-Pad1): length 1
  L1 (Sig, PWR) w0.4: 33.19,12.64 v1(33.19,11.66)
Net-(Q1204-Pad1): length 1.7
  L1 (Sig, PWR) w0.4: Q1204.1 v1(23.49,11.66)
  L6 (Sig, PWR) w0.4: v1(23.49,11.66) 23.49,12.31
Net-(Q1401-G): length 8.1
  L1 (Sig, PWR) w0.25: Q1401.1 71.89,16.28 72.52,16.91 75.14,16.91 75.65,16.4 U1801.4
